# KiCad board reform2-motherboard.kicad_pcb (continued)
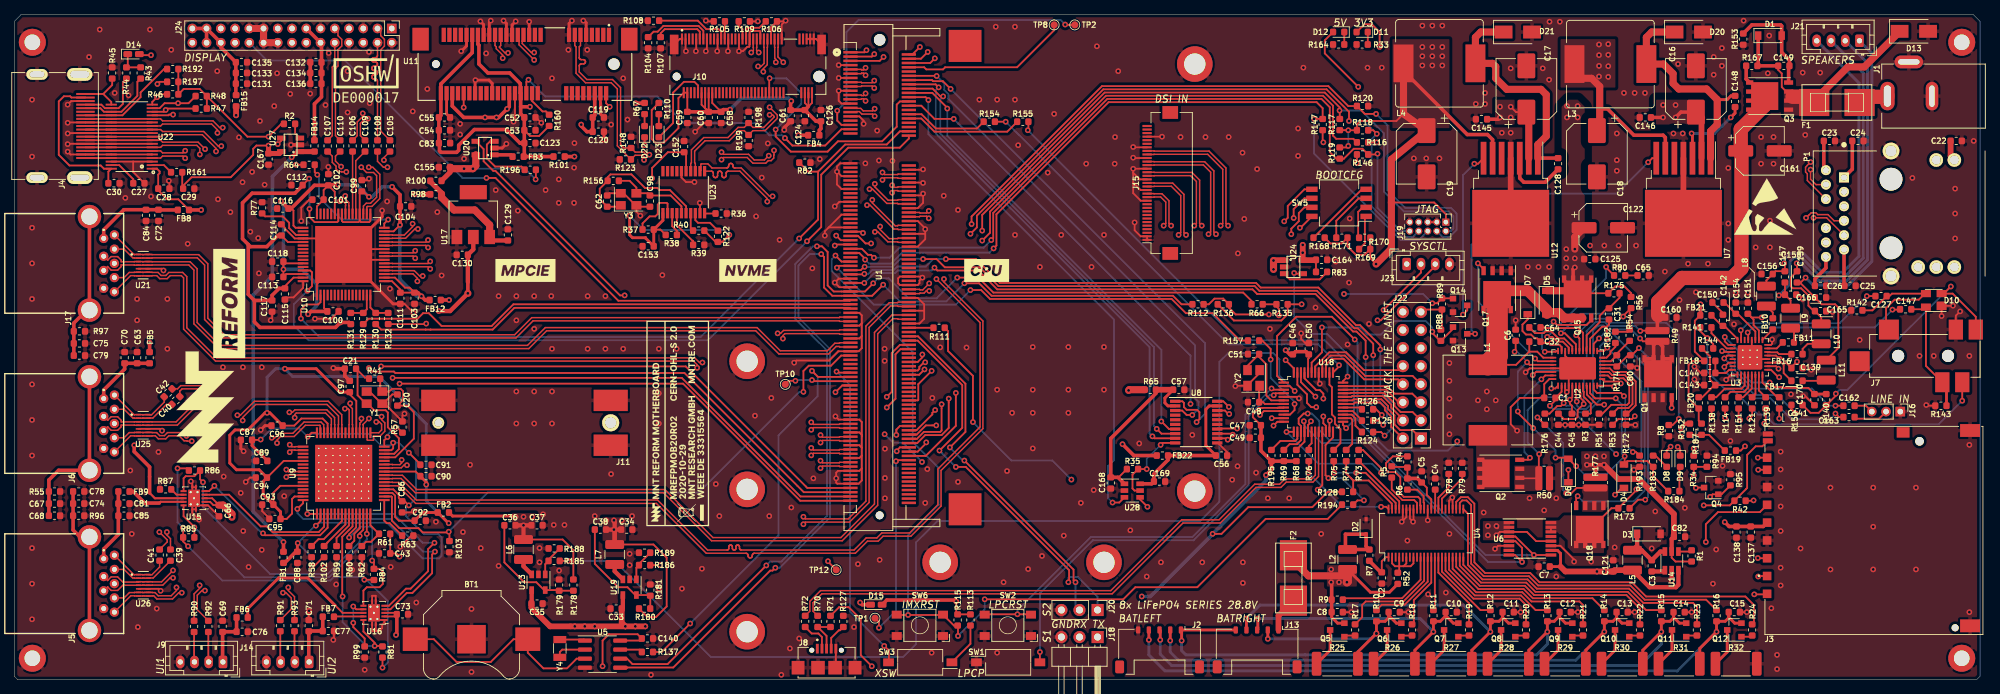
[diagram p0: board, top side]
## Placement (name value [footprint] x y rotation side) (continued)
R139  33  [R_0603_1608Metric]  245.9 38.9 90 top
R140  680  [R_0603_1608Metric]  254.4 39.35 270 top
R141  0  [R_0603_1608Metric]  237.5 49.5 0 top
R142  47k  [R_0603_1608Metric]  258.7 51.9 180 top
R143  47k  [R_0603_1608Metric]  270.5 38.5 180 top
R144  47k  [R_0603_1608Metric]  237.75 46.55 0 top
R146  0  [R_0603_1608Metric]  189.3 73.8 0 top
R147  0  [R_0603_1608Metric]  183.7 78 90 top
R148  49.9  [R_0603_1608Metric]  86.6 75.5 270 top
R150  33  [R_0603_1608Metric]  247.8 38.9 90 top
R151  33  [R_0603_1608Metric]  242.1 38.9 90 top
R152  0  [R_0603_1608Metric]  235.25 35.2 270 top
R153  1M  [R_0603_1608Metric]  242.75 90 90 top
R154  0  [R_0603_1608Metric]  136.9 78.4 180 top
R155  0  [R_0603_1608Metric]  141.6 78.4 0 top
R156  1M  [R_0603_1608Metric]  84.1 70.1 0 top
R157  0  [R_0603_1608Metric]  174 47.65 180 top
R160  100k  [R_0603_1608Metric]  75.1 78.6 90 top
R161  10k  [R_0603_1608Metric]  22.8 71.3 180 top
R164  1k  [R_0603_1608Metric]  185.95 89.25 0 top
R167  62  [R_0603_1608Metric]  243.95 86.25 0 top
R168  1.5k  [R_0603_1608Metric]  183.2 62.1 180 top
R169  1.5k  [R_0603_1608Metric]  189.6 60.5 0 top
R170  1.5k  [R_0603_1608Metric]  189.6 62.1 0 top
R171  1.5k  [R_0603_1608Metric]  186.4 62.1 0 top
R172  10k  [R_0603_1608Metric]  226.3 36.6 270 top
R173  49.9k  [R_0603_1608Metric]  226 24.1 180 top
R174  4.7k  [R_0603_1608Metric]  225 44.8 270 top
R175  100  [R_0603_1608Metric]  224.6 54.3 0 top
R176  100  [R_0603_1608Metric]  214.9 36.6 90 top
R177  0.02  [R_0612_1632Metric]  222 27.7 270 top
R178  100k  [R_0603_1608Metric]  78.5 13.3 270 top
R179  100k  [R_0603_1608Metric]  76.5 13.3 90 top
R180  150k  [R_0603_1608Metric]  88.5 10 0 top
R181  100k  [R_0603_1608Metric]  89.3 12.6 90 top
R182  0  [R_0603_1608Metric]  224.8 48.1 90 top
R183  1k  [R_0603_1608Metric]  230.1 30.7 90 top
R184  1k  [R_0603_1608Metric]  233 26.5 0 top
R185  0  [R_0603_1608Metric]  75.8 16.7 180 top
R186  0  [R_0603_1608Metric]  88.5 16.1 180 top
R187  0  [R_0603_1608Metric]  236.9 35.2 270 top
R188  100k  [R_0603_1608Metric]  75.8 18.45 180 top
R189  100k  [R_0603_1608Metric]  88.5 17.85 180 top
R192  27k  [R_0603_1608Metric]  22.25 85.8 180 top
R193  0  [R_0603_1608Metric]  228.2 30.7 90 top
R194  0  [R_0603_1608Metric]  187.2 24.6 0 top
R195  1.5k  [R_0603_1608Metric]  176.5 31.5 90 top
R196  10k  [R_0603_1608Metric]  72.45 71.65 0 top
R197  47k  [R_0603_1608Metric]  22.25 84 0 top
R198  49.9  [R_0603_1608Metric]  103.1 79 270 top
R199  49.9  [R_0603_1608Metric]  103.1 75.75 90 top
SW1  SW_DIP_x01  [SW_DIP_SPSTx01_Slide_Omron_A6S-110x_W8.9mm_P2.54mm]  139.55 2.45 0 top
SW2  SW_Push  [UK-B0206-G3.8-250-JZ]  139.5 7.65 180 top
SW3  SW_DIP_x01  [SW_DIP_SPSTx01_Slide_Omron_A6S-110x_W8.9mm_P2.54mm]  127.2 2.45 180 top
SW5  SW_DIP_x04  [SW_DIP_SPSTx04_Slide_Copal_CHS-04B_W7.62mm_P1.27mm]  186 67 180 top
SW6  SW_Push  [UK-B0206-G3.8-250-JZ]  127.15 7.65 180 top
TP1  IMX_PWM4  [TestPoint_Pad_D1.0mm]  120.85 8.65 0 top
TP2  T_OTG  [TestPoint_Pad_D1.0mm]  148.9 92 0 top
TP8  T_PMIC_ON_REQ  [TestPoint_Pad_D1.0mm]  146 92 0 top
TP10  T_M4_NMI  [TestPoint_Pad_D1.0mm]  108.25 41.5 0 top
TP12  SAI2_RXC  [TestPoint_Pad_D1.0mm]  115.4 15.45 0 top
U1  Nitrogen8M  [TE_1473149-4]  121.5 56.5 90 top
U2  LTC4020EUHFPBF  [QFN-38-1EP_5x7mm_P0.5mm_EP3.15x5.15mm]  219.5 43.75 90 top
U3  WM8960  [QFN-32-1EP_5x5mm_P0.5mm_EP3.45x3.45mm_ThermalVias]  243.7 45.3 0 top
U4  LTC6803-4  [SSOP-44_5.3x12.8mm_P0.5mm]  198.2 20.6 90 top
U5  PCF8523T  [SOIC-8_3.9x4.9mm_P1.27mm]  82.6 3.6 0 top
U6  INA260  [TSSOP-16_4.4x5mm_P0.65mm]  212.8 19.8 0 top
U7  LM2677SX-5  [TO-263-7_TabPin8]  234.35 67.5 270 top
U8  TXS0108EPW  [TSSOP-20_4.4x6.5mm_P0.65mm]  165.95 36.2 0 top
U9  TUSB8041IPAPRQ1  [HTQFP-64-1EP_10x10mm_P0.5mm_EP8x8mm_Mask4.4x4.4mm_ThermalVias]  46.25 29 90 top
U10  SN65DSI86IPAPQ1  [HTQFP-64-1EP_10x10mm_P0.5mm_EP8x8mm]  46.25 59.75 90 top
U11  679105700  [MOLEX_67910-5700]  73.5 86.5 180 top
U12  LM2677SX-3.3  [TO-263-7_TabPin8]  210.1 67.5 270 top
U13  TLV62568DBV  [SOT-23-5]  73.6 13.7 270 top
U14  LMR16006YQ3  [TSOT-23-6]  232.7 16.7 90 top
U15  TPS2561  [VSON-10-1EP_3x3mm_P0.5mm_EP1.65x2.4mm_ThermalVias]  25.25 25.5 180 top
U16  TPS2561  [VSON-10-1EP_3x3mm_P0.5mm_EP1.65x2.4mm_ThermalVias]  50.5 9.4 180 top
U17  TLV1117-18  [SOT-223]  64.45 65.35 90 top
U18  LPC11U24FBD48-301  [LQFP-48_7x7mm_P0.5mm]  182.4 39 0 top
U19  TLV62568DBV  [SOT-23-5]  86.4 13 270 top
U20  AP22815  [TSOT-25]  66.1 74.7 90 top
U21  SP3012-06UTG  [SON50P350X135X55-14N]  18.1 58.25 0 top
U22  TPD12S521  [TSSOP50P640X120-38N]  16.5 76.3 180 top
U23  IDT5V41066  [TSSOP-20_4.4x6.5mm_P0.65mm]  94 68.5 90 top
U24  AP22815  [TSOT-25]  179.6 58 270 top
U25  SP3012-06UTG  [SON50P350X135X55-14N]  18.1 35.75 0 top
U26  SP3012-06UTG  [SON50P350X135X55-14N]  18.12 13.28 0 top
U27  AP22815  [TSOT-25]  38.8 75.15 90 top
U28  SN74AVC1T45  [SOT-23-6]  156.97 26.58 0 top
Y1  24MHz  [Crystal_SMD_Abracon_ABM8G-4Pin_3.2x2.5mm]  50.58 39.64 180 top
Y2  12MHz  [Crystal_SMD_Abracon_ABM8G-4Pin_3.2x2.5mm]  174 42.4 90 top
Y3  25MHz  [Crystal_SMD_Abracon_ABM8G-4Pin_3.2x2.5mm]  86.25 67.5 0 top
Y4  32.768 kHz  [Crystal_SMD_3215-2Pin_3.2x1.5mm]  76.6 4.4 90 top

## Footprints (pads in the part's own frame, mm; a bottom-side part is the same pattern mirrored in y, then rotated)
692121030100
  round 1.3 hole 0.7: 1(-3.5,5.36) 2(-1,5.36) 3(1,5.36) 4(3.5,5.36) 5(4,6.86) 6(2,6.86) 7(0,6.86) 8(-2,6.86) 9(-4,6.86)
  round 3.3 hole 2.3: 10(-6.57,3.36) 10(6.57,3.36)
BatteryHolder_Keystone_3000_1x12mm
  rect 3.5x3.3 smd: 1(-7.9,0) 1(7.9,0)
  rect 4x4 smd: 2(0,0)
C_0603_1608Metric
  rrect 0.875x0.95 smd: 1(-0.787,0) 2(0.787,0)
CP_Elec_6.3x7.7
  rrect 3.5x1.6 smd: 1(-2.7,0) 2(2.7,0)
CP_Elec_8x10
  rrect 3.5x2.5 smd: 1(-3.25,0) 2(3.25,0)
Crystal_SMD_3215-2Pin_3.2x1.5mm
  rect 1x1.8 smd: 1(1.25,0) 2(-1.25,0)
Crystal_SMD_Abracon_ABM8G-4Pin_3.2x2.5mm
  rect 1.4x1.2 smd: 1(-1.1,-0.85) 2(1.1,-0.85) 3(1.1,0.85) 4(-1.1,0.85)
D_0603_1608Metric_Castellated
  rrect 1.225x0.85 smd: 1(-0.812,0) 2(0.812,0)
D_SMA
  rect 2.5x1.8 smd: 1(-2,0) 2(2,0)
D_SOD-123
  rect 0.9x1.2 smd: 1(-1.65,0) 2(1.65,0)
D_SOD-323
  rect 0.6x0.45 smd: 1(-1.05,0) 2(1.05,0)
fuse_smf
  rect 4.239x3.81 smd: 1(-3.188,0) 2(3.188,0)
HDMI-685119134923
  rect 0.28x2.6 smd: 1(4.5,0) 2(4,0) 3(3.5,0) 4(3,0) 5(2.5,0) 6(2,0) 7(1.5,0) 8(1,0) 9(0.5,0) 10(0,0) 11(-0.5,0) 12(-1,0) 13(-1.5,0) 14(-2,0) 15(-2.5,0) 16(-3,0) 17(-3.5,0) 18(-4,0) 19(-4.5,0)
  oval 1.778x3.556 hole 1x2.7: SH(-7.25,-0.8)
  oval 1.5x3 hole 0.9x2.1: SH(-7.25,-6.8) SH(7.25,-6.8)
  oval 1.778x3.556 hole 0.9x2.7: SH(7.25,-0.8)
Hirose_FH12-33S-0.5SH_1x33-1MP_P0.50mm_Horizontal
  rect 0.3x1.3 smd: 1(-8,1.85) 2(-7.5,1.85) 3(-7,1.85) 4(-6.5,1.85) 5(-6,1.85) 6(-5.5,1.85) 7(-5,1.85) 8(-4.5,1.85) 9(-4,1.85) 10(-3.5,1.85) 11(-3,1.85) 12(-2.5,1.85) 13(-2,1.85) 14(-1.5,1.85) 15(-1,1.85) 16(-0.5,1.85) 17(0,1.85) 18(0.5,1.85) 19(1,1.85) 20(1.5,1.85) 21(2,1.85) 22(2.5,1.85) 23(3,1.85) 24(3.5,1.85) 25(4,1.85) 26(4.5,1.85) 27(5,1.85) 28(5.5,1.85) 29(6,1.85) 30(6.5,1.85) 31(7,1.85) 32(7.5,1.85) 33(8,1.85)
  rect 1.8x2.2 smd: MP(-9.9,-1.4) MP(9.9,-1.4)
HTQFP-64-1EP_10x10mm_P0.5mm_EP8x8mm
  rect 3.2x3.2 smd: (-2,2) (-2,-2) (2,2) (2,-2)
  rect 1.5x0.3 smd: 1(-5.7,3.75) 2(-5.7,3.25) 3(-5.7,2.75) 4(-5.7,2.25) 5(-5.7,1.75) 6(-5.7,1.25) 7(-5.7,0.75) 8(-5.7,0.25) 9(-5.7,-0.25) 10(-5.7,-0.75) 11(-5.7,-1.25) 12(-5.7,-1.75) 13(-5.7,-2.25) 14(-5.7,-2.75) 15(-5.7,-3.25) 16(-5.7,-3.75) 33(5.7,-3.75) 34(5.7,-3.25) 35(5.7,-2.75) 36(5.7,-2.25) 37(5.7,-1.75) 38(5.7,-1.25) 39(5.7,-0.75) 40(5.7,-0.25) 41(5.7,0.25) 42(5.7,0.75) 43(5.7,1.25) 44(5.7,1.75) 45(5.7,2.25) 46(5.7,2.75) 47(5.7,3.25) 48(5.7,3.75)
  rect 0.3x1.5 smd: 17(-3.75,-5.7) 18(-3.25,-5.7) 19(-2.75,-5.7) 20(-2.25,-5.7) 21(-1.75,-5.7) 22(-1.25,-5.7) 23(-0.75,-5.7) 24(-0.25,-5.7) 25(0.25,-5.7) 26(0.75,-5.7) 27(1.25,-5.7) 28(1.75,-5.7) 29(2.25,-5.7) 30(2.75,-5.7) 31(3.25,-5.7) 32(3.75,-5.7) 49(3.75,5.7) 50(3.25,5.7) 51(2.75,5.7) 52(2.25,5.7) 53(1.75,5.7) 54(1.25,5.7) 55(0.75,5.7) 56(0.25,5.7) 57(-0.25,5.7) 58(-0.75,5.7) 59(-1.25,5.7) 60(-1.75,5.7) 61(-2.25,5.7) 62(-2.75,5.7) 63(-3.25,5.7) 64(-3.75,5.7)
  rect 8x8 smd: 65(0,0)
HTQFP-64-1EP_10x10mm_P0.5mm_EP8x8mm_Mask4.4x4.4mm_ThermalVias
  rect 1.75x1.75 smd: (-1.1,1.1) (-1.1,-1.1) (1.1,1.1) (1.1,-1.1)
  rect 4.4x4.4 smd: (0,0)
  rect 1.5x0.3 smd: 1(-5.7,3.75) 2(-5.7,3.25) 3(-5.7,2.75) 4(-5.7,2.25) 5(-5.7,1.75) 6(-5.7,1.25) 7(-5.7,0.75) 8(-5.7,0.25) 9(-5.7,-0.25) 10(-5.7,-0.75) 11(-5.7,-1.25) 12(-5.7,-1.75) 13(-5.7,-2.25) 14(-5.7,-2.75) 15(-5.7,-3.25) 16(-5.7,-3.75) 33(5.7,-3.75) 34(5.7,-3.25) 35(5.7,-2.75) 36(5.7,-2.25) 37(5.7,-1.75) 38(5.7,-1.25) 39(5.7,-0.75) 40(5.7,-0.25) 41(5.7,0.25) 42(5.7,0.75) 43(5.7,1.25) 44(5.7,1.75) 45(5.7,2.25) 46(5.7,2.75) 47(5.7,3.25) 48(5.7,3.75)
  rect 0.3x1.5 smd: 17(-3.75,-5.7) 18(-3.25,-5.7) 19(-2.75,-5.7) 20(-2.25,-5.7) 21(-1.75,-5.7) 22(-1.25,-5.7) 23(-0.75,-5.7) 24(-0.25,-5.7) 25(0.25,-5.7) 26(0.75,-5.7) 27(1.25,-5.7) 28(1.75,-5.7) 29(2.25,-5.7) 30(2.75,-5.7) 31(3.25,-5.7) 32(3.75,-5.7) 49(3.75,5.7) 50(3.25,5.7) 51(2.75,5.7) 52(2.25,5.7) 53(1.75,5.7) 54(1.25,5.7) 55(0.75,5.7) 56(0.25,5.7) 57(-0.25,5.7) 58(-0.75,5.7) 59(-1.25,5.7) 60(-1.75,5.7) 61(-2.25,5.7) 62(-2.75,5.7) 63(-3.25,5.7) 64(-3.75,5.7)
  round 0.5 hole 0.2: 65(-3.5,3.5) 65(-3.5,2.5) 65(-3.5,1.5) 65(-3.5,0.5) 65(-3.5,-0.5) 65(-3.5,-1.5) 65(-3.5,-2.5) 65(-3.5,-3.5) 65(-2.5,3.5) 65(-2.5,2.5) 65(-2.5,1.5) 65(-2.5,0.5) 65(-2.5,-0.5) 65(-2.5,-1.5) 65(-2.5,-2.5) 65(-2.5,-3.5) 65(-1.5,3.5) 65(-1.5,2.5) 65(-1.5,1.5) 65(-1.5,0.5) 65(-1.5,-0.5) 65(-1.5,-1.5) 65(-1.5,-2.5) 65(-1.5,-3.5) 65(-0.5,3.5) 65(-0.5,2.5) 65(-0.5,1.5) 65(-0.5,0.5) 65(-0.5,-0.5) 65(-0.5,-1.5) 65(-0.5,-2.5) 65(-0.5,-3.5) 65(0.5,3.5) 65(0.5,2.5) 65(0.5,1.5) 65(0.5,0.5) 65(0.5,-0.5) 65(0.5,-1.5) 65(0.5,-2.5) 65(0.5,-3.5) 65(1.5,3.5) 65(1.5,2.5) 65(1.5,1.5) 65(1.5,0.5) 65(1.5,-0.5) 65(1.5,-1.5) 65(1.5,-2.5) 65(1.5,-3.5) 65(2.5,3.5) 65(2.5,2.5) 65(2.5,1.5) 65(2.5,0.5) 65(2.5,-0.5) 65(2.5,-1.5) 65(2.5,-2.5) 65(2.5,-3.5) 65(3.5,3.5) 65(3.5,2.5) 65(3.5,1.5) 65(3.5,0.5) 65(3.5,-0.5) 65(3.5,-1.5) 65(3.5,-2.5) 65(3.5,-3.5)
  rect 8x8 smd: 65(0,0)
  rect 8x8 smd far side: 65(0,0)
JST_PH_B4B-PH-K_1x04_P2.00mm_Vertical
  rrect 1.2x1.75 hole 0.75: 1(0,0)
  oval 1.2x1.75 hole 0.75: 2(2,0) 3(4,0) 4(6,0)
L_12x12mm_H6mm
  rect 2.9x5.4 smd: 1(-4.95,0) 2(4.95,0)
L_0603_1608Metric
  rrect 0.875x0.95 smd: 1(-0.787,0) 2(0.787,0)
L_1210_3225Metric
  rrect 1.25x2.65 smd: 1(-1.4,0) 2(1.4,0)
L_Bourns_SRR1210A
  rect 2.8x5.3 smd: 1(-5.05,0) 2(5.05,0)
LED_0603_1608Metric
  rrect 0.875x0.95 smd: 1(-0.787,0) 2(0.787,0)
LQFP-48_7x7mm_P0.5mm
  rrect 1.475x0.3 smd: 1(-4.162,2.75) 2(-4.162,2.25) 3(-4.162,1.75) 4(-4.162,1.25) 5(-4.162,0.75) 6(-4.162,0.25) 7(-4.162,-0.25) 8(-4.162,-0.75) 9(-4.162,-1.25) 10(-4.162,-1.75) 11(-4.162,-2.25) 12(-4.162,-2.75) 25(4.162,-2.75) 26(4.162,-2.25) 27(4.162,-1.75) 28(4.162,-1.25) 29(4.162,-0.75) 30(4.162,-0.25) 31(4.162,0.25) 32(4.162,0.75) 33(4.162,1.25) 34(4.162,1.75) 35(4.162,2.25) 36(4.162,2.75)
  rrect 0.3x1.475 smd: 13(-2.75,-4.162) 14(-2.25,-4.162) 15(-1.75,-4.162) 16(-1.25,-4.162) 17(-0.75,-4.162) 18(-0.25,-4.162) 19(0.25,-4.162) 20(0.75,-4.162) 21(1.25,-4.162) 22(1.75,-4.162) 23(2.25,-4.162) 24(2.75,-4.162) 37(2.75,4.162) 38(2.25,4.162) 39(1.75,4.162) 40(1.25,4.162) 41(0.75,4.162) 42(0.25,4.162) 43(-0.25,4.162) 44(-0.75,4.162) 45(-1.25,4.162) 46(-1.75,4.162) 47(-2.25,4.162) 48(-2.75,4.162)
MOLEX_48099-5701
  rect 4.8x3 smd: 1(-12.1,-3.15) 2(-12.1,3.15) 3(12.1,-3.15) 4(12.1,3.15)
  round 2.4 hole 1.6: 5(-12.1,0)
  round 1.65 hole 1.1: 6(12.1,0)
MOLEX_67910-5700
  round 1.6 hole 1.6 unplated: (-10.7,0)
  round 1.1 hole 1.1 unplated: (14.3,0)
  rect 0.6x2 smd: 1(-10,-4.1) 2(-9.6,4.1) 3(-9.2,-4.1) 4(-8.8,4.1) 5(-8.4,-4.1) 6(-8,4.1) 7(-7.6,-4.1) 8(-7.2,4.1) 9(-6.8,-4.1) 10(-6.4,4.1) 11(-6,-4.1) 12(-5.6,4.1) 13(-5.2,-4.1) 14(-4.8,4.1) 15(-4.4,-4.1) 16(-4,4.1) 17(-0.4,-4.1) 18(0,4.1) 19(0.4,-4.1) 20(0.8,4.1) 21(1.2,-4.1) 22(1.6,4.1) 23(2,-4.1) 24(2.4,4.1) 25(2.8,-4.1) 26(3.2,4.1) 27(3.6,-4.1) 28(4,4.1) 29(4.4,-4.1) 30(4.8,4.1) 31(5.2,-4.1) 32(5.6,4.1) 33(6,-4.1) 34(6.4,4.1) 35(6.8,-4.1) 36(7.2,4.1) 37(7.6,-4.1) 38(8,4.1) 39(8.4,-4.1) 40(8.8,4.1) 41(9.2,-4.1) 42(9.6,4.1) 43(10,-4.1) 44(10.4,4.1) 45(10.8,-4.1) 46(11.2,4.1) 47(11.6,-4.1) 48(12,4.1) 49(12.4,-4.1) 50(12.8,4.1) 51(13.2,-4.1) 52(13.6,4.1)
  rect 2.3x3.2 smd: 53(-12.85,-3.5) 54(16.45,-3.5)
Molex_Pico-Lock_504050-0591_1x05-1MP_P1.50mm_Horizontal
  rrect 0.6x1 smd: 1(-3,-2.795) 2(-1.5,-2.795) 3(0,-2.795) 4(1.5,-2.795) 5(3,-2.795)
  rrect 1.25x1.8 smd: MP(-5.605,2.395) MP(5.605,2.395)
MountingHole_2.2mm_M2_DIN965_Pad
  round 3.8 hole 2.2: 1(0,0)
PinHeader_1x03_P2.00mm_Vertical
  rect 1.35x1.35 hole 0.8: 1(0,0)
  oval 1.35x1.35 hole 0.8: 2(0,-2) 3(0,-4)
PinHeader_1x03_P2.54mm_Horizontal
  rect 1.7x1.7 hole 1: 1(0,0)
  oval 1.7x1.7 hole 1: 2(0,-2.54) 3(0,-5.08)
PinHeader_1x03_P2.54mm_Vertical
  rect 1.7x1.7 hole 1: 1(0,0)
  oval 1.7x1.7 hole 1: 2(0,-2.54) 3(0,-5.08)
PinHeader_2x05_P1.27mm_Vertical
  rect 1x1 hole 0.65: 1(0,0)
  oval 1x1 hole 0.65: 2(1.27,0) 3(0,-1.27) 4(1.27,-1.27) 5(0,-2.54) 6(1.27,-2.54) 7(0,-3.81) 8(1.27,-3.81) 9(0,-5.08) 10(1.27,-5.08)
PinHeader_2x08_P2.54mm_Vertical
  rect 1.7x1.7 hole 1: 1(0,0)
  oval 1.7x1.7 hole 1: 2(2.54,0) 3(0,-2.54) 4(2.54,-2.54) 5(0,-5.08) 6(2.54,-5.08) 7(0,-7.62) 8(2.54,-7.62) 9(0,-10.16) 10(2.54,-10.16) 11(0,-12.7) 12(2.54,-12.7) 13(0,-15.24) 14(2.54,-15.24) 15(0,-17.78) 16(2.54,-17.78)
PinHeader_2x15_P2.00mm_Vertical
  rect 1.35x1.35 hole 0.8: 1(0,0)
  oval 1.35x1.35 hole 0.8: 2(2,0) 3(0,-2) 4(2,-2) 5(0,-4) 6(2,-4) 7(0,-6) 8(2,-6) 9(0,-8) 10(2,-8) 11(0,-10) 12(2,-10) 13(0,-12) 14(2,-12) 15(0,-14) 16(2,-14) 17(0,-16) 18(2,-16) 19(0,-18) 20(2,-18) 21(0,-20) 22(2,-20) 23(0,-22) 24(2,-22) 25(0,-24) 26(2,-24) 27(0,-26) 28(2,-26) 29(0,-28) 30(2,-28)
PowerPAK_SO-8_Single_8Pads
  rect 1.27x0.61 smd: 1(-2.67,1.905) 2(-2.67,0.635) 3(-2.67,-0.635) 4(-2.67,-1.905)
  rect 3.81x3.91 smd: 5(0.69,0)
  rect 1.02x0.61 smd: 5(2.795,-1.905) 6(2.795,-0.635) 7(2.795,0.635) 8(2.795,1.905)
PULSE_J0G-0003NL
  round 3.2 hole 3.2 unplated: (-4.825,0) (4.825,0)
  rect 1.398x1.398 hole 0.89: 1(-5.075,-6.6)
  round 1.398 hole 0.89: 2(-3.045,-6.6) 3(-1.015,-6.6) 4(1.015,-6.6) 5(3.045,-6.6) 6(5.075,-6.6) 7(-6.095,-9.14) 8(-4.065,-9.14) 9(-2.035,-9.14) 10(2.035,-9.14) 11(4.065,-9.14) 12(6.095,-9.14)
  round 1.905 hole 1.27: 13(-7.52,6.35) 14(-7.52,8.89) 15(7.52,3.81) 16(7.52,6.35) 17(7.52,8.89)
  round 2.355 hole 1.57: SH1(-8.79,0) SH2(8.79,0)
QFN-32-1EP_5x5mm_P0.5mm_EP3.45x3.45mm_ThermalVias
  custom 0.585x0.585 smd: (-1.363,1.363) (-1.363,-1.363) (1.363,1.363) (1.363,-1.363)
  custom 0.585x0.806 smd: (-1.363,0.5) (-1.363,-0.5) (1.363,0.5) (1.363,-0.5)
  custom 0.806x0.585 smd: (-0.5,1.363) (-0.5,-1.363) (0.5,1.363) (0.5,-1.363)
  rrect 0.806x0.806 smd: (-0.5,0.5) (-0.5,-0.5) (0.5,0.5) (0.5,-0.5)
  rrect 0.875x0.25 smd: 1(-2.438,1.75) 2(-2.438,1.25) 3(-2.438,0.75) 4(-2.438,0.25) 5(-2.438,-0.25) 6(-2.438,-0.75) 7(-2.438,-1.25) 8(-2.438,-1.75) 17(2.438,-1.75) 18(2.438,-1.25) 19(2.438,-0.75) 20(2.438,-0.25) 21(2.438,0.25) 22(2.438,0.75) 23(2.438,1.25) 24(2.438,1.75)
  rrect 0.25x0.875 smd: 9(-1.75,-2.438) 10(-1.25,-2.438) 11(-0.75,-2.438) 12(-0.25,-2.438) 13(0.25,-2.438) 14(0.75,-2.438) 15(1.25,-2.438) 16(1.75,-2.438) 25(1.75,2.438) 26(1.25,2.438) 27(0.75,2.438) 28(0.25,2.438) 29(-0.25,2.438) 30(-0.75,2.438) 31(-1.25,2.438) 32(-1.75,2.438)
  round 0.5 hole 0.2: 33(-1,1) 33(-1,0) 33(-1,-1) 33(0,1) 33(0,0) 33(0,-1) 33(1,1) 33(1,0) 33(1,-1)
  rrect 2.5x2.5 smd far side: 33(0,0)
  rrect 3.45x3.45 smd: 33(0,0)
QFN-38-1EP_5x7mm_P0.5mm_EP3.15x5.15mm
  rrect 0.85x0.83 smd: (-1.05,2.06) (-1.05,1.03) (-1.05,0) (-1.05,-1.03) (-1.05,-2.06) (0,2.06) (0,1.03) (0,0) (0,-1.03) (0,-2.06) (1.05,2.06) (1.05,1.03) (1.05,0) (1.05,-1.03) (1.05,-2.06)
  rrect 0.875x0.25 smd: 1(-2.438,2.75) 2(-2.438,2.25) 3(-2.438,1.75) 4(-2.438,1.25) 5(-2.438,0.75) 6(-2.438,0.25) 7(-2.438,-0.25) 8(-2.438,-0.75) 9(-2.438,-1.25) 10(-2.438,-1.75) 11(-2.438,-2.25) 12(-2.438,-2.75) 20(2.438,-2.75) 21(2.438,-2.25) 22(2.438,-1.75) 23(2.438,-1.25) 24(2.438,-0.75) 25(2.438,-0.25) 26(2.438,0.25) 27(2.438,0.75) 28(2.438,1.25) 29(2.438,1.75) 30(2.438,2.25) 31(2.438,2.75)
  rrect 0.25x0.875 smd: 13(-1.5,-3.438) 14(-1,-3.438) 15(-0.5,-3.438) 16(0,-3.438) 17(0.5,-3.438) 18(1,-3.438) 19(1.5,-3.438) 32(1.5,3.438) 33(1,3.438) 34(0.5,3.438) 35(0,3.438) 36(-0.5,3.438) 37(-1,3.438) 38(-1.5,3.438)
  rrect 3.15x5.15 smd: 39(0,0)
R_0603_1608Metric
  rrect 0.875x0.95 smd: 1(-0.787,0) 2(0.787,0)
R_0612_1632Metric
  rrect 1x3.4 smd: 1(-0.75,0) 2(0.75,0)
R_2512_6332Metric
  rrect 1.35x3.35 smd: 1(-2.9,0) 2(2.9,0)
SJ-43516-SMT
  round 1.7 hole 1.7 unplated: (-3.5,0) (3.5,0)
  rect 2x2.8 smd: 1(-7.4,-3.7) 3(-2.7,3.7) 4(-4.6,-3.7) 6(-5.5,3.7)
  rect 2.8x2.8 smd: 2(4.8,-3.7) 5(8.9,0.75)
SOIC-8_3.9x4.9mm_P1.27mm
  rrect 1.95x0.6 smd: 1(-2.475,1.905) 2(-2.475,0.635) 3(-2.475,-0.635) 4(-2.475,-1.905) 5(2.475,-1.905) 6(2.475,-0.635) 7(2.475,0.635) 8(2.475,1.905)
SON50P350X135X55-14N
  rect 0.74x0.22 smd: 1(-0.67,1.5) 2(-0.67,1) 3(-0.67,0.5) 4(-0.67,0) 5(-0.67,-0.5) 6(-0.67,-1) 7(-0.67,-1.5) 8(0.67,-1.5) 9(0.67,-1) 10(0.67,-0.5) 11(0.67,0) 12(0.67,0.5) 13(0.67,1) 14(0.67,1.5)
SOT-23
  rect 0.9x0.8 smd: 1(-1,0.95) 2(-1,-0.95) 3(1,0)
SOT-23-5
  rect 1.06x0.65 smd: 1(-1.1,0.95) 2(-1.1,0) 3(-1.1,-0.95) 4(1.1,-0.95) 5(1.1,0.95)
SOT-23-6
  rect 1.06x0.65 smd: 1(-1.1,0.95) 2(-1.1,0) 3(-1.1,-0.95) 4(1.1,-0.95) 5(1.1,0) 6(1.1,0.95)
SOT-143
  rect 1.4x1.2 smd: 1(-1.1,0.77)
  rect 1.4x1 smd: 2(-1.1,-0.95) 3(1.1,-0.95) 4(1.1,0.95)
SOT-223
  rect 2x1.5 smd: 1(-3.15,2.3) 2(-3.15,0) 3(-3.15,-2.3)
  rect 2x3.8 smd: 4(3.15,0)
SSOP-44_5.3x12.8mm_P0.5mm
  rect 1.25x0.25 smd: 1(-3.375,5.25) 2(-3.375,4.75) 3(-3.375,4.25) 4(-3.375,3.75) 5(-3.375,3.25) 6(-3.375,2.75) 7(-3.375,2.25) 8(-3.375,1.75) 9(-3.375,1.25) 10(-3.375,0.75) 11(-3.375,0.25) 12(-3.375,-0.25) 13(-3.375,-0.75) 14(-3.375,-1.25) 15(-3.375,-1.75) 16(-3.375,-2.25) 17(-3.375,-2.75) 18(-3.375,-3.25) 19(-3.375,-3.75) 20(-3.375,-4.25) 21(-3.375,-4.75) 22(-3.375,-5.25) 23(3.375,-5.25) 24(3.375,-4.75) 25(3.375,-4.25) 26(3.375,-3.75) 27(3.375,-3.25) 28(3.375,-2.75) 29(3.375,-2.25) 30(3.375,-1.75) 31(3.375,-1.25) 32(3.375,-0.75) 33(3.375,-0.25) 34(3.375,0.25) 35(3.375,0.75) 36(3.375,1.25) 37(3.375,1.75) 38(3.375,2.25) 39(3.375,2.75) 40(3.375,3.25) 41(3.375,3.75) 42(3.375,4.25) 43(3.375,4.75) 44(3.375,5.25)
SW_DIP_SPSTx01_Slide_Omron_A6S-110x_W8.9mm_P2.54mm
  rect 1.5x1.1 smd: 1(-4.45,0) 2(4.45,0)
SW_DIP_SPSTx04_Slide_Copal_CHS-04B_W7.62mm_P1.27mm
  rect 1.6x0.76 smd: 1(-3.81,1.905) 2(-3.81,0.635) 3(-3.81,-0.635) 4(-3.81,-1.905) 5(3.81,-1.905) 6(3.81,-0.635) 7(3.81,0.635) 8(3.81,1.905)
SWC_RAPC712X
  oval 4x2 hole 3x1: 1(0,3)
  oval 1.8x4 hole 0.75x3: 2(4.8,0)
  oval 4x1.75 hole 3x0.75: 3(0,-3.25)
TE_1-2199230-6
  round 1.1 hole 1.1 unplated: (-10,0)
  round 1.6 hole 1.6 unplated: (10,0)
  rect 0.3x1.55 smd: 1(-9.25,5.275) 2(-9,-2.275) 3(-8.75,5.275) 4(-8.5,-2.275) 5(-8.25,5.275) 6(-8,-2.275) 7(-7.75,5.275) 8(-7.5,-2.275) 9(-7.25,5.275) 10(-7,-2.275) 11(-6.75,5.275) 12(-6.5,-2.275) 13(-6.25,5.275) 14(-6,-2.275) 15(-5.75,5.275) 16(-5.5,-2.275) 17(-5.25,5.275) 18(-5,-2.275) 19(-4.75,5.275) 20(-4.5,-2.275) 21(-4.25,5.275) 22(-4,-2.275) 23(-3.75,5.275) 24(-3.5,-2.275) 25(-3.25,5.275) 26(-3,-2.275) 27(-2.75,5.275) 28(-2.5,-2.275) 29(-2.25,5.275) 30(-2,-2.275) 31(-1.75,5.275) 32(-1.5,-2.275) 33(-1.25,5.275) 34(-1,-2.275) 35(-0.75,5.275) 36(-0.5,-2.275) 37(-0.25,5.275) 38(0,-2.275) 39(0.25,5.275) 40(0.5,-2.275) 41(0.75,5.275) 42(1,-2.275) 43(1.25,5.275) 44(1.5,-2.275) 45(1.75,5.275) 46(2,-2.275) 47(2.25,5.275) 48(2.5,-2.275) 49(2.75,5.275) 50(3,-2.275) 51(3.25,5.275) 52(3.5,-2.275) 53(3.75,5.275) 54(4,-2.275) 55(4.25,5.275) 56(4.5,-2.275) 57(4.75,5.275) 58(5,-2.275) 67(7.25,5.275) 68(7.5,-2.275) 69(7.75,5.275) 70(8,-2.275) 71(8.25,5.275) 72(8.5,-2.275) 73(8.75,5.275) 74(9,-2.275) 75(9.25,5.275)
  rect 1.2x2.75 smd: S1(-10.35,4.5) S2(10.35,4.5)
TE_1473149-4
  round 1.1 hole 1.1 unplated: (-33.4,0)
  round 1.6 hole 1.6 unplated: (33.4,0)
  rect 0.35x2 smd: 1(31.65,4.1) 2(31.35,-4.1) 3(31.05,4.1) 4(30.75,-4.1) 5(30.45,4.1) 6(30.15,-4.1) 7(29.85,4.1) 8(29.55,-4.1) 9(29.25,4.1) 10(28.95,-4.1) 11(28.65,4.1) 12(28.35,-4.1) 13(28.05,4.1) 14(27.75,-4.1) 15(27.45,4.1) 16(27.15,-4.1) 17(26.85,4.1) 18(26.55,-4.1) 19(26.25,4.1) 20(25.95,-4.1) 21(25.65,4.1) 22(25.35,-4.1) 23(25.05,4.1) 24(24.75,-4.1) 25(24.45,4.1) 26(24.15,-4.1) 27(23.85,4.1) 28(23.55,-4.1) 29(23.25,4.1) 30(22.95,-4.1) 31(22.65,4.1) 32(22.35,-4.1) 33(22.05,4.1) 34(21.75,-4.1) 35(21.45,4.1) 36(21.15,-4.1) 37(20.85,4.1) 38(20.55,-4.1) 39(20.25,4.1) 40(19.95,-4.1) 41(16.05,4.1) 42(15.75,-4.1) 43(15.45,4.1) 44(15.15,-4.1) 45(14.85,4.1) 46(14.55,-4.1) 47(14.25,4.1) 48(13.95,-4.1) 49(13.65,4.1) 50(13.35,-4.1) 51(13.05,4.1) 52(12.75,-4.1) 53(12.45,4.1) 54(12.15,-4.1) 55(11.85,4.1) 56(11.55,-4.1) 57(11.25,4.1) 58(10.95,-4.1) 59(10.65,4.1) 60(10.35,-4.1) 61(10.05,4.1) 62(9.75,-4.1) 63(9.45,4.1) 64(9.15,-4.1) 65(8.85,4.1) 66(8.55,-4.1) 67(8.25,4.1) 68(7.95,-4.1) 69(7.65,4.1) 70(7.35,-4.1) 71(7.05,4.1) 72(6.75,-4.1) 73(6.45,4.1) 74(6.15,-4.1) 75(5.85,4.1) 76(5.55,-4.1) 77(5.25,4.1) 78(4.95,-4.1) 79(4.65,4.1) 80(4.35,-4.1) 81(4.05,4.1) 82(3.75,-4.1) 83(3.45,4.1) 84(3.15,-4.1) 85(2.85,4.1) 86(2.55,-4.1) 87(2.25,4.1) 88(1.95,-4.1) 89(1.65,4.1) 90(1.35,-4.1) 91(1.05,4.1) 92(0.75,-4.1) 93(0.45,4.1) 94(0.15,-4.1) 95(-0.15,4.1) 96(-0.45,-4.1) 97(-0.75,4.1) 98(-1.05,-4.1) 99(-1.35,4.1) 100(-1.65,-4.1) 101(-1.95,4.1) 102(-2.25,-4.1) 103(-2.55,4.1) 104(-2.85,-4.1) 105(-3.15,4.1) 106(-3.45,-4.1) 107(-3.75,4.1) 108(-4.05,-4.1) 109(-4.35,4.1) 110(-4.65,-4.1) 111(-4.95,4.1) 112(-5.25,-4.1) 113(-5.55,4.1) 114(-5.85,-4.1) 115(-6.15,4.1) 116(-6.45,-4.1) 117(-6.75,4.1) 118(-7.05,-4.1) 119(-7.35,4.1) 120(-7.65,-4.1) 121(-7.95,4.1) 122(-8.25,-4.1) 123(-8.55,4.1) 124(-8.85,-4.1) 125(-9.15,4.1) 126(-9.45,-4.1) 127(-9.75,4.1) 128(-10.05,-4.1) 129(-10.35,4.1) 130(-10.65,-4.1) 131(-10.95,4.1) 132(-11.25,-4.1) 133(-11.55,4.1) 134(-11.85,-4.1) 135(-12.15,4.1) 136(-12.45,-4.1) 137(-12.75,4.1) 138(-13.05,-4.1) 139(-13.35,4.1) 140(-13.65,-4.1) 141(-13.95,4.1) 142(-14.25,-4.1) 143(-14.55,4.1) 144(-14.85,-4.1) 145(-15.15,4.1) 146(-15.45,-4.1) 147(-15.75,4.1) 148(-16.05,-4.1) 149(-16.35,4.1) 150(-16.65,-4.1) 151(-16.95,4.1) 152(-17.25,-4.1) 153(-17.55,4.1) 154(-17.85,-4.1) 155(-18.15,4.1) 156(-18.45,-4.1) 157(-18.75,4.1) 158(-19.05,-4.1) 159(-19.35,4.1) 160(-19.65,-4.1) 161(-19.95,4.1) 162(-20.25,-4.1) 163(-20.55,4.1) 164(-20.85,-4.1) 165(-21.15,4.1) 166(-21.45,-4.1) 167(-21.75,4.1) 168(-22.05,-4.1) 169(-22.35,4.1) 170(-22.65,-4.1) 171(-22.95,4.1) 172(-23.25,-4.1) 173(-23.55,4.1) 174(-23.85,-4.1) 175(-24.15,4.1) 176(-24.45,-4.1) 177(-24.75,4.1) 178(-25.05,-4.1) 179(-25.35,4.1) 180(-25.65,-4.1) 181(-25.95,4.1) 182(-26.25,-4.1) 183(-26.55,4.1) 184(-26.85,-4.1) 185(-27.15,4.1) 186(-27.45,-4.1) 187(-27.75,4.1) 188(-28.05,-4.1) 189(-28.35,4.1) 190(-28.65,-4.1) 191(-28.95,4.1) 192(-29.25,-4.1) 193(-29.55,4.1) 194(-29.85,-4.1) 195(-30.15,4.1) 196(-30.45,-4.1) 197(-30.75,4.1) 198(-31.05,-4.1) 199(-31.35,4.1) 200(-31.65,-4.1)
  rect 4.5x4.6 smd: SH1(-32.55,-12) SH2(32.55,-12)
TE_1775059-1
  round 1.2 hole 1.2 unplated: (0,0)
  round 1 hole 1 unplated: (5,-26.2)
  rect 1.2x1.2 smd: 1(-21.4,-18.925) 2(-21.4,-16.425) 3(-21.4,-13.925) 4(-21.4,-11.425) 5(-21.4,-8.925) 6(-21.4,-6.425) 7(-21.4,-4) 8(-21.4,-2.3) 9(-21.4,-21.425)
  rect 1.4x0.73 smd: 10(-21.3,0.07) 12(-21.3,1.03)
  rect 1.8x1.45 smd: 11(-2.3,1.25)
  rect 2.8x1.8 smd: 12(7.1,1.52) 13(7.1,-25.92)
TestPoint_Pad_D1.0mm
  round 1 smd: 1(0,0)
TO-263-7_TabPin8
  rect 4.55x5.25 smd: (0.95,2.775) (0.95,-2.775) (5.8,2.775) (5.8,-2.775)
  rect 4.6x0.8 smd: 1(-5.775,3.81) 2(-5.775,2.54) 3(-5.775,1.27) 4(-5.775,0) 5(-5.775,-1.27) 6(-5.775,-2.54) 7(-5.775,-3.81)
  rect 9.4x10.8 smd: 8(3.375,0)
TSOT-23-6
  rect 1.22x0.65 smd: 1(-1.31,0.95) 2(-1.31,0) 3(-1.31,-0.95) 4(1.31,-0.95) 5(1.31,0) 6(1.31,0.95)
TSOT-25
  rect 0.7x1.2 smd: 1(-0.95,-1.3) 2(0,-1.3) 3(0.95,-1.3) 4(0.95,1.3) 5(-0.95,1.3)
TSSOP50P640X120-38N
  rect 1.56x0.26 smd: 1(-2.88,4.5) 2(-2.88,4) 3(-2.88,3.5) 4(-2.88,3) 5(-2.88,2.5) 6(-2.88,2) 7(-2.88,1.5) 8(-2.88,1) 9(-2.88,0.5) 10(-2.88,0) 11(-2.88,-0.5) 12(-2.88,-1) 13(-2.88,-1.5) 14(-2.88,-2) 15(-2.88,-2.5) 16(-2.88,-3) 17(-2.88,-3.5) 18(-2.88,-4) 19(-2.88,-4.5) 20(2.88,-4.5) 21(2.88,-4) 22(2.88,-3.5) 23(2.88,-3) 24(2.88,-2.5) 25(2.88,-2) 26(2.88,-1.5) 27(2.88,-1) 28(2.88,-0.5) 29(2.88,0) 30(2.88,0.5) 31(2.88,1) 32(2.88,1.5) 33(2.88,2) 34(2.88,2.5) 35(2.88,3) 36(2.88,3.5) 37(2.88,4) 38(2.88,4.5)
TSSOP-16_4.4x5mm_P0.65mm
  rect 1.5x0.45 smd: 1(-2.95,2.275) 2(-2.95,1.625) 3(-2.95,0.975) 4(-2.95,0.325) 5(-2.95,-0.325) 6(-2.95,-0.975) 7(-2.95,-1.625) 8(-2.95,-2.275) 9(2.95,-2.275) 10(2.95,-1.625) 11(2.95,-0.975) 12(2.95,-0.325) 13(2.95,0.325) 14(2.95,0.975) 15(2.95,1.625) 16(2.95,2.275)
TSSOP-20_4.4x6.5mm_P0.65mm
  rect 1.45x0.45 smd: 1(-2.95,2.925) 2(-2.95,2.275) 3(-2.95,1.625) 4(-2.95,0.975) 5(-2.95,0.325) 6(-2.95,-0.325) 7(-2.95,-0.975) 8(-2.95,-1.625) 9(-2.95,-2.275) 10(-2.95,-2.925) 11(2.95,-2.925) 12(2.95,-2.275) 13(2.95,-1.625) 14(2.95,-0.975) 15(2.95,-0.325) 16(2.95,0.325) 17(2.95,0.975) 18(2.95,1.625) 19(2.95,2.275) 20(2.95,2.925)
UK-B0206-G3.8-250-JZ
  rect 1.4x1.1 smd: 1(-3.25,1.5) 1(3.25,1.5) 2(-3.25,-1.5) 2(3.25,-1.5)
VSON-10-1EP_3x3mm_P0.5mm_EP1.65x2.4mm_ThermalVias
  rect 0.64x0.64 smd: (-0.48,0.86) (-0.48,0) (-0.48,-0.86) (0.48,0.86) (0.48,0) (0.48,-0.86)
  rect 0.85x0.28 smd: 1(-1.475,1) 2(-1.475,0.5) 3(-1.475,0) 4(-1.475,-0.5) 5(-1.475,-1) 6(1.475,-1) 7(1.475,-0.5) 8(1.475,0) 9(1.475,0.5) 10(1.475,1)
  round 0.6 hole 0.3: 11(-0.48,0.86) 11(-0.48,-0.86) 11(0,0) 11(0.48,0.86) 11(0.48,-0.86)
  rect 0.28x0.7 smd: 11(-0.25,1.55) 11(-0.25,-1.55) 11(0.25,1.55) 11(0.25,-1.55)
  rect 1.65x2.4 smd: 11(0,0)
  rect 1.65x2.4 smd far side: 11(0,0)
WA-SMSI-M2
  round 5 hole 3: 1(0,0)
WE_629105136821
  round 0.7 hole 0.7 unplated: (-2.075,2.45) (2.075,2.45)
  rect 0.4x1.35 smd: 1(-1.3,2.675) 2(-0.65,2.675) 3(0,2.675) 4(0.65,2.675) 5(1.3,2.675)
  rect 1.8x1.9 smd: 6(-4,0) 6(4,0)
  rect 1.9x1.9 smd: 6(-1.2,0) 6(1.2,0)

## Nets
3V3_PWR_AUX: FB1.1 FB14.1 R98.2 U27.1
+1V2: C36.1 C37.1 FB2.1 FB12.1 L6.2 R178.1
+1V5: C34.1 C38.1 C119.1 C120.1 L7.2 R180.1 U11.6 U11.28 U11.48
+1V8: C112.1 C114.1 C115.1 C117.1 C130.1 R65.2 R131.2 R132.2 U10.42 U10.53 U10.63 U17.2
+3V3: C19.1 C22.1 C29.1 C155.1 C167.1 D11.2 D15.2 FB4.1 FB18.1 FB20.1 FB21.1 FB22.1 J19.1 L4.2 P1.14 P1.16 R2.2 R46.2 R47.2 R48.2 R100.2 R113.2 R115.1 R117.1 R118.1 R119.1 R135.1 R136.1 R161.1 R168.1 R169.2 R170.2 R171.2 R187.1 R192.1 R196.2 R197.2 U12.6 U20.5 U27.5
+5V: C18.1 C33.1 C35.1 C164.1 D12.2 L3.2 R83.2 U1.1 U1.2 U1.3 U1.4 U1.5 U1.6 U7.6 U13.4 U19.4 U24.5
/Reform 2 Power/24V_IN: F1.1 J1.1
/Reform 2 Power/30V_GATE: C16.1 C17.1 C82.2 C122.1 C125.1 C145.2 C146.2 D5.1 Q15.5 Q15.6 Q15.7 Q15.8 R1.2 R56.1 R175.1 R177.1 U7.2 U12.2 U14.5
